# Altium PCB 28Pins_Project_V1I1_PCB.PcbDoc (part 1 of 2)
Units mil, origin at the board's own origin, x right, y up, seen from the top; angles counter-clockwise.
Board outline 2700 x 2100 mil, 2 copper layers (L1, L2), stack 66.476 mil thick; 106 components, 71 nets, 323 pads, 106 vias.
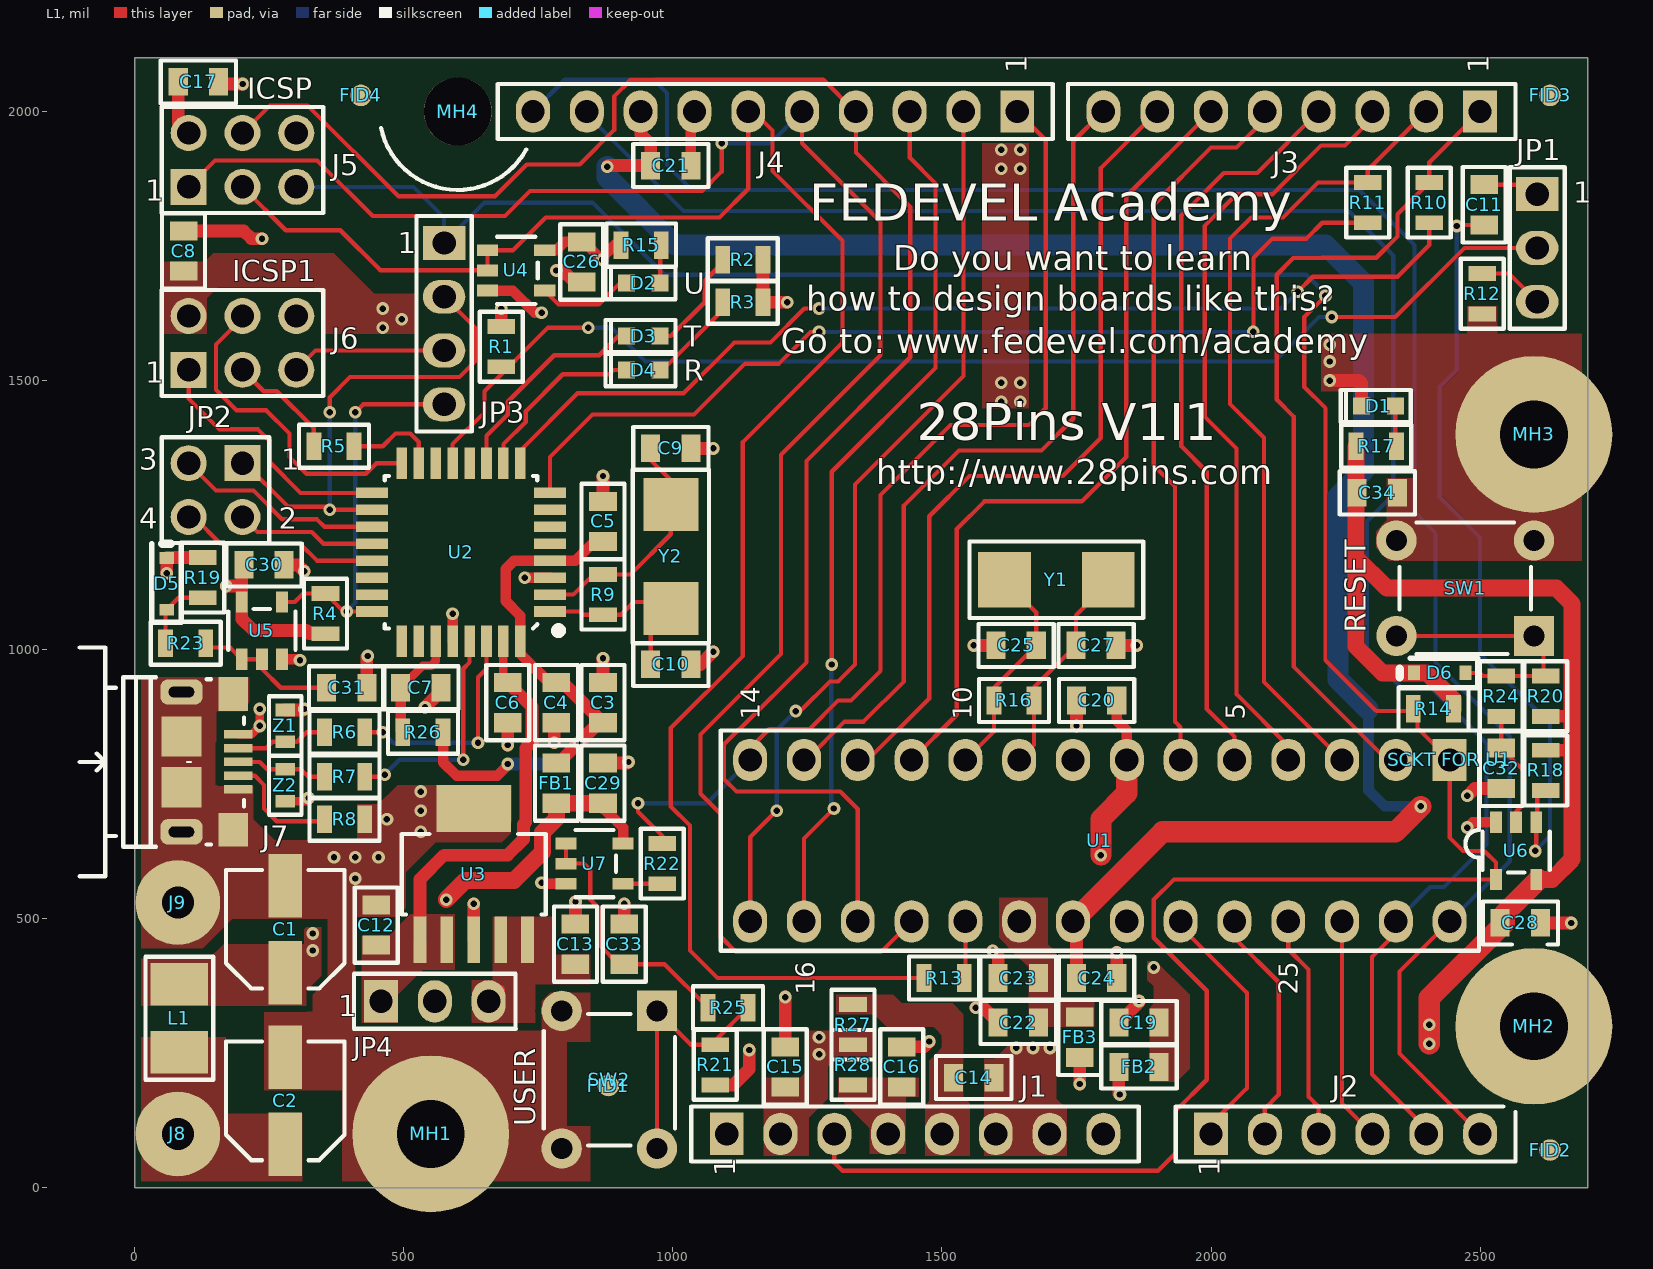
[diagram p0: L1 view]
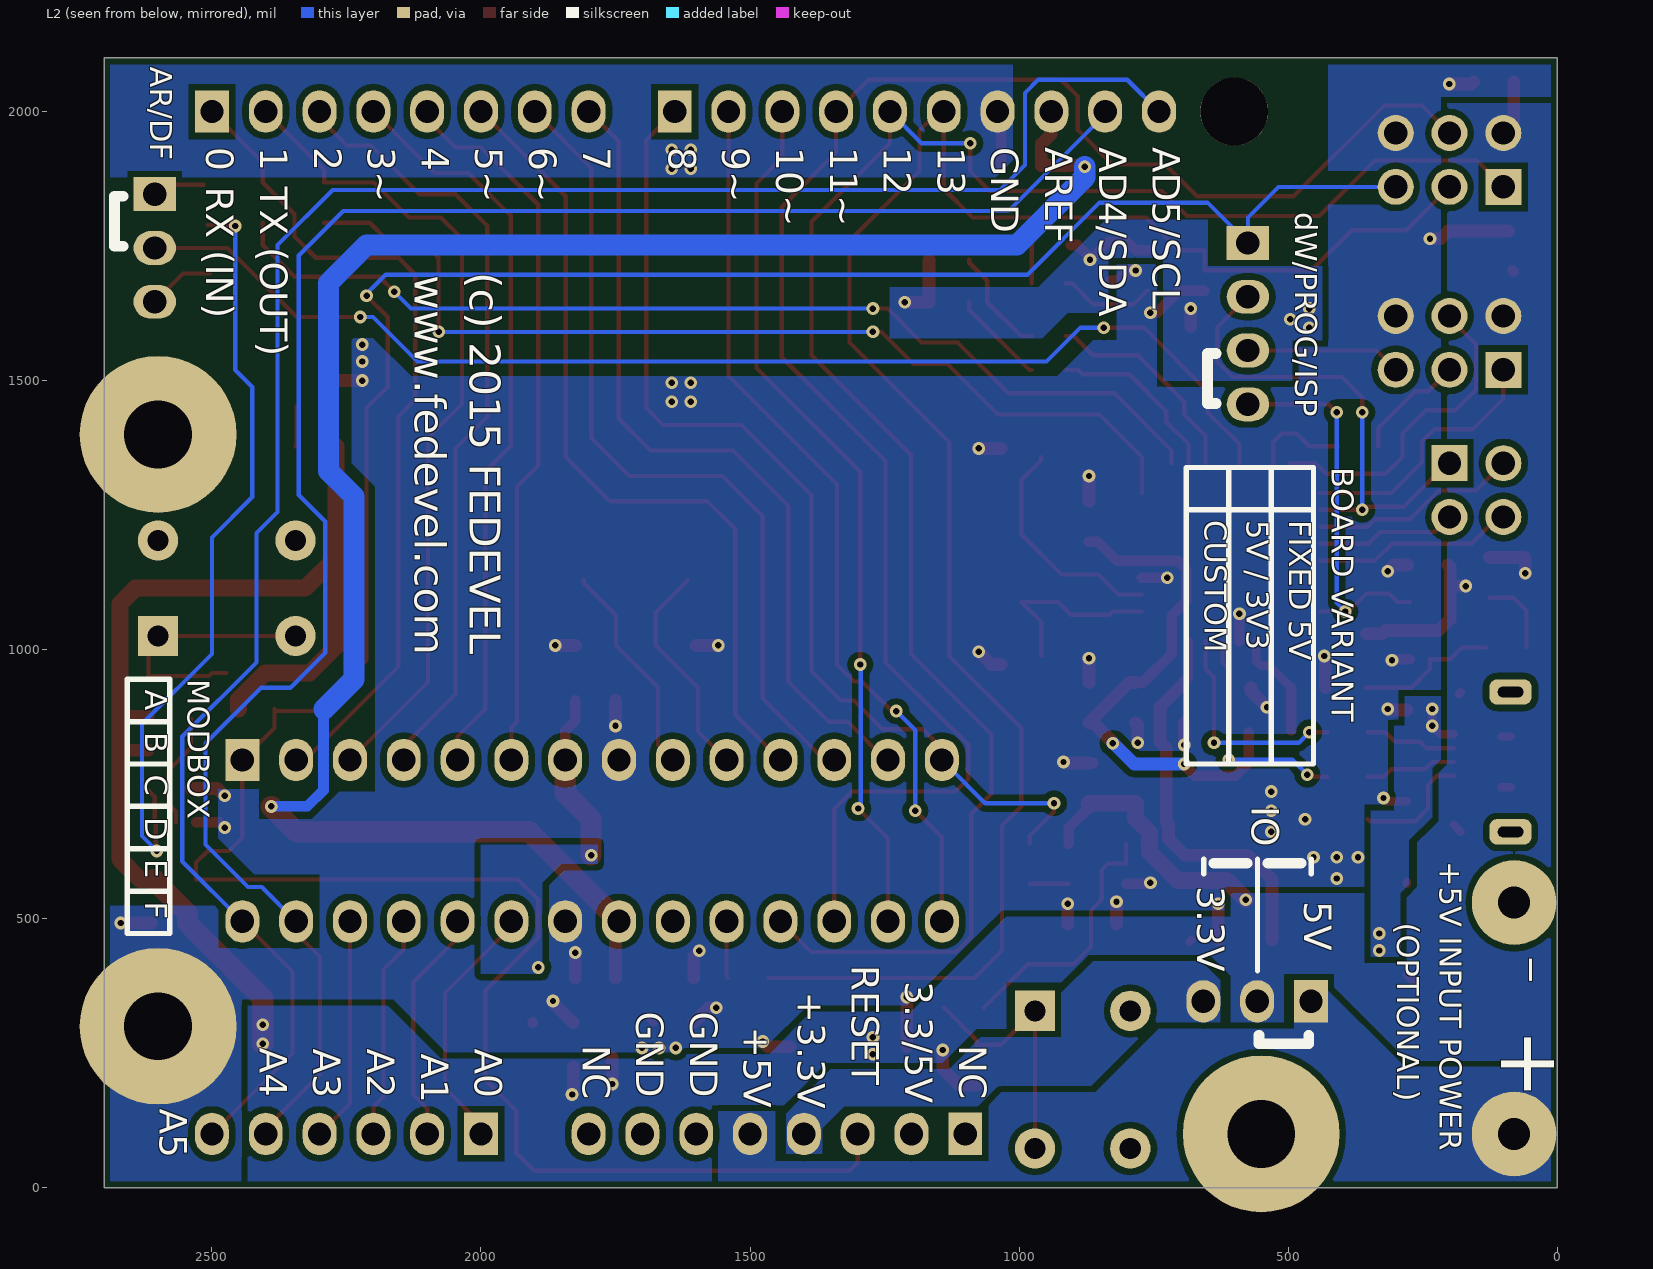
[diagram p1: L2 view, seen from below]

## Layer stack, top to bottom
Top Solder: solder mask 0.4, Solder Resist, Dk 3.5
L1: signal copper 1.7421
Dielectric5: core 62.9921, DE 104 ML, Dk 3.26
L2: signal copper 1.7421
Bottom Solder: solder mask 0.4, Solder Resist, Dk 3.5

## Board outline
0,0 2700,0 2700,2100 0,2100

## Design rules (kind name [scope] priority, off if disabled: settings)
Clearance "Around polygons" [IsRegion] p1: gap=11.81
Clearance [All] p2: gap=7.87
ComponentClearance "MH2 to J2" [InComponent('MH2') vs InComponent('J2')] p1: gap=0 collisioncheckmode=3 verticalgap=0 showdistances=FALSE
ComponentClearance "DIP SOCKET to MH2 and U1" [InComponent('SCKT FOR U1') vs InComponent('MH2') or InComponent('U1')] p2: gap=0 collisioncheckmode=3 verticalgap=0 showdistances=FALSE
ComponentClearance "MH4 to FID4 and J4" [InComponent('MH4') vs InComponent('FID4') or InComponent('J4')] p3: gap=0 collisioncheckmode=3 verticalgap=0 showdistances=FALSE
ComponentClearance "Power Resistors" [InComponent('R27') vs InComponent('R28')] p4: gap=0 collisioncheckmode=3 verticalgap=0 showdistances=FALSE
ComponentClearance "SW2 and FID1" [InComponent('SW2') vs InComponent('FID1')] p5: gap=0 collisioncheckmode=3 verticalgap=0 showdistances=FALSE
ComponentClearance [All] p6: gap=7.87 collisioncheckmode=3 verticalgap=7.87 showdistances=FALSE
Height [All] p1: minheight=-314.96 maxheight=1000 prefheight=500
HoleSize [All] p1: absolutevalues=TRUE maxlimit=393.7 minlimit=7.87 maxpercent=80.000 minpercent=20.000
HoleToHoleClearance [All] p1: gap=11.81 allowstackedmicrovias=TRUE
MinimumSolderMaskSliver [All] p1: minsoldermaskwidth=3.94
PlaneClearance [All] p1: clearance=11.81
PlaneConnect [All] p1: planeconnectstyle=Direct reliefexpansion=7.87 reliefentries=4 reliefconductorwidth=11.81 reliefairgap=7.87
PolygonConnect [All] p1: connectstyle=Direct reliefconductorwidth=10 reliefentries=4 polygonreliefangle="90 Angle" airgapwidth=10
RoutingVias [All] p1: holewidth=11.81 width=23.62 viastyle="Through Hole" minholewidth=11.81 minwidth=23.62 maxholewidth=11.81 maxwidth=23.62
SilkToSilkClearance [All] p1: silktosilkclearance=3.94
SilkToSolderMaskClearance SilkscreenOverComponentPads [IsPad] p1: minsilkscreentomaskgap=3.94 clearancetoexposedcopper=TRUE
SolderMaskExpansion [All] p1: expansion=3.94
Width "Width POWERS" [InNet('+*') or InNet('GND')] p1: maxlimit=157.48 minlimit=15.75 preferedwidth=15.75 minimp=50.000000 maximp=50.000000 favimp=50.000000
Width [All] p2: maxlimit=19.68 minlimit=5.91 preferedwidth=5.91
21 further rules are at their usual default settings.

## Classes and differential pairs
differential pair class DIFF90: PCIE_RX PCIE_TX USB0 USB0_CON USB0_L USB1 USB1_CON USB1_L USB_MPCIE USB_MPCIE_CON USB_OTG USB_OTG_CON
differential pair class DIFF100: CSI_CLK0 CSI_D0 CSI_D1 HDMI_IN_CLK HDMI_IN_D0 HDMI_IN_D1 HDMI_IN_D2 HDMI_OUT_CLK HDMI_OUT_D0 HDMI_OUT_D1 HDMI_OUT_D2 MX0 MX1 MX2 MX3 PCIE_CLK SATA_RX SATA_TX TRD0 TRD1 TRD2 TRD3

## Components (designator, comment, footprint, x,y, rotation, side; value= is the part's Value field where it differs from the comment)
C1 "100u / 10V" C_ALU_C_SIZE 279.53,480.32 r90 top
C2 "100u / 10V" C_ALU_C_SIZE 279.53,161.42 r90 top
C3 "10uF / 16V" C0805 870.08,901.57 r90 top
C4 "100n" C0805 783.46,901.57 r270 top
C5 "100n" C0805 870.08,1238.19 r90 top
C6 "100n" C0805 692.91,901.57 r270 top
C7 "1u" C0805 531.5,929.13 r180 top
C8 "100n" C0805 90.55,1740.71 r90 top
C9 "18p" C0805 996.06,1374.02 r180 top
C10 "18p" C0805 996.06,972.44 r180 top
C11 "100n" C0805 2507.87,1826.77 r90 top
C12 "10uF / 16V" C0805 448.82,488.19 r90 top
C13 "10uF / 16V" C0805 818.9,452.76 r90 top
C14 "100n" C0805 1559.06,204.72 r0 top
C15 "100n" C0805 1208.66,224.41 r90 top
C16 "100n" C0805 1425.2,224.41 r90 top
C17 "100n" C0805 118.11,2055.12 r0 top
C19 "10uF / 16V" C0805 1866.14,307.09 r180 top
C20 "100n" C0805 1787.4,905.51 r180 top
C21 "10uF / 16V" C0805 996.06,1899.61 r0 top
C22 "10uF / 16V" C0805 1641.73,307.09 r180 top
C23 "100n" C0805 1641.73,389.76 r180 top
C24 "100n" C0805 1787.4,389.76 r0 top
C25 "18p" C0805 1637.8,1007.87 r0 top
C26 "100n" C0805 830.71,1720.47 r270 top
C27 "18p" C0805 1786.42,1007.87 r180 top
C28 "100n" C0805 2574.8,492.13 r0 top
C29 "100n" C0805 870.08,751.97 r90 top
C30 "100n" C0805 240.16,1157.48 r0 top
C31 "100n" C0805 393.7,929.13 r0 top
C32 "100n" C0805 2539.37,779.53 r270 top
C33 "100n" C0805 909.45,452.76 r90 top
C34 "10uF / 16V" C0805 2309.06,1291.34 r0 top
D1 "Green" LED_0603 2311.02,1452.76 r0 top
D2 "Orange" LED_0603 944.88,1681.1 r0 top
D3 "Orange" LED_0603 944.88,1582.68 r0 top
D4 "Orange" LED_0603 944.88,1519.69 r0 top
D5 "BAT54HT1G" SOD323 59.06,1122.05 r270 top
D6 "BAT54HT1G" SOD323 2425.2,956.69 r0 top
FB1 "MPZ2012S601AT000" C0805 783.46,751.97 r90 top
FB2 "MPZ2012S601AT000" C0805 1866.14,224.41 r0 top
FB3 "MPZ2012S601AT000" C0805 1755.91,279.53 r90 top
FID1 "FID_1MMC" FID_40X120D 880,190 r0 top
FID2 "FID_1MMC" FID_40X120D 2630,70 r90 top
FID3 "FID_1MMC" FID_40X120D 2630,2030 r90 top
FID4 "FID_1MMC" FID_40X120D 420,2030 r90 top
J1 "HDR FMALE 1x8 2.54mm" Hdr_Female_1x8_2.54mm 1100,100 r90 top locked
J2 "HDR FMALE 1x6 2.54mm" Hdr_Female_1x6_2.54mm 2000,100 r90 top locked
J3 "HDR FMALE 1x8 2.54mm" Hdr_Female_1x8_2.54mm 2500,2000 r270 top locked
J4 "HDR FMALE 1x10 2.54mm" Hdr_Female_1x10_2.54mm 1640,2000 r270 top locked
J5 "HDR 2x3" HDR_2X3_2.54MM 100,1860 r90 top locked
J6 "HDR 2x3" HDR_2X3_2.54MM 100,1520 r90 top locked
J7 "10118193-0001LF" 10118193 86.61,791.34 r270 top
J8 "4MMx1.5MM" PAD_WITH_HOLE_4MMx1.5MM 80,100 r0 top
J9 "4MMx1.5MM" PAD_WITH_HOLE_4MMx1.5MM 80,530 r0 top
JP1 "HDR 1x3" Hdr_1x3_2.54mm 2606.3,1846.46 r0 top
JP2 "HDR 2x2" HDR_2x2_2.54MM 200,1346.46 r270 top locked
JP3 "HDR 1x4" HDR_1x4_2.54MM 574.8,1755.91 r0 top locked
JP4 "HDR 1x3" Hdr_1x3_2.54mm 457.48,346.46 r90 top locked
L1 "2u2 / 2A" C1210_IND 82.68,314.96 r270 top
MH1 "MH_7.4MMC_3.2MMD" MH_7.4MMD_3.2MMD 550,100 r0 top locked
MH2 "MH_7.4MMC_3.2MMD" MH_7.4MMD_3.2MMD 2600,300 r0 top locked
MH3 "MH_7.4MMC_3.2MMD" MH_7.4MMD_3.2MMD 2600,1400 r0 top locked
MH4 "MH_7.4MMNC_3.2MMD" MH_7.4MMD_3.2MMD_NON_COPPER_NPTH 600,2000 r0 top locked
R1 "100k" R0805 681.1,1562.99 r90 top
R2 "560R" R0805 1129.92,1724.41 r0 top
R3 "560R" R0805 1129.92,1645.67 r0 top
R4 "10k" R0805 354.33,1066.93 r270 top
R5 "22R" R0805 370.08,1377.95 r180 top
R6 "22R" R0805 389.76,846.46 r0 top
R7 "22R" R0805 389.76,763.78 r0 top
R8 "0R" R0805 389.76,685.04 r0 top
R9 "1M" R0805 870.08,1102.36 r90 top
R10 "1k" R0805 2405.51,1830.71 r90 top
R11 "1k" R0805 2291.34,1830.71 r90 top
R12 "1k" R0805 2503.94,1661.42 r270 top
R13 "22R" R0805 1503.94,389.76 r180 top
R14 "10k" R0805 2413.39,889.76 r0 top
R15 "560R" R0805 940.94,1751.97 r180 top
R16 "1M" R0805 1633.86,905.51 r180 top
R17 "560R" R0805 2307.09,1377.95 r180 top
R18 "10k" R0805 2622.05,775.59 r90 top
R19 "10k" R0805 125.98,1133.86 r90 top
R20 "10k" R0805 2622.05,913.39 r270 top
R21 "10k" R0805 1078.74,228.35 r270 top
R22 "560R" R0805 980.32,602.36 r270 top
R23 "22R" R0805 94.49,1011.81 r0 top
R24 "22R" R0805 2539.37,913.39 r270 top
R25 "22R" R0805 1102.36,334.65 r180 top
R26 "0R" R0805 535.43,846.46 r0 top
R27 "0R" R0805 1334.65,303.15 r90 top
R28 "0R" R0805 1334.65,228.35 r90 top
"SCKT FOR U1" "28-DIP Socket" 28_DIP_7.62mm_SOCKET 2443.5,795 r270 top locked
SW1 "1825910-6" 1825910-6 2472.44,1114.17 r270 top
SW2 "1825910-6" 1825910-6 881.89,200.79 r0 top
U1 "ATMEGA328P-PU" 28_DIP_7.62mm 2443.5,795 r270 top locked
U2 "ATMEGA16U2-AU" TQFP32 606.3,1181.1 r180 top
U3 "TL1963A-33DCQR" "DCQ (R-PDSO-G6)" 629.92,582.68 r0 top
U4 "SN74AHC1G09DBVR" DBV_SOT_23_5 708.66,1704.72 r0 top
U5 "SN74AHC1G09DBVR" DBV_SOT_23_5 236.22,1035.43 r90 top
U6 "SN74AHC1G09DBVR" DBV_SOT_23_5 2566.93,625.98 r270 top
U7 "SN74AHC1G09DBVR" DBV_SOT_23_5 854.33,602.36 r0 top
Y1 "ABM7-16.000MHZ-D2Y-T" ABM7_v1_1_BIG 1712.6,1129.92 r180 top
Y2 "ABM7-16.000MHZ-D2Y-T" ABM7_v1_1_BIG 996.06,1173.23 r90 top
Z1 "CG0603MLC-05E" R0603 279.53,858.27 r270 top
Z2 "CG0603MLC-05E" R0603 279.53,748.03 r90 top

## Footprints (in the part's own frame and the unit in brackets; to place one, negate y for a bottom-side part, rotate by r counter-clockwise, add the part's x,y. Pads: shape width x height; smd on the part's side, far side on the other; paste and mask are expansions set on the pad)
28_DIP_7.62mm [mm] "Creator MM"
  rect 2x1.6 hole 1.1: 1(0,0)
  oval 2x1.6 hole 1.1: 2(0,-2.54) 3(0,-5.08) 4(0,-7.62) 5(0,-10.16) 6(0,-12.7) 7(0,-15.24) 8(0,-17.78) 9(0,-20.32) 10(0,-22.86) 11(0,-25.4) 12(0,-27.94) 13(0,-30.48) 14(0,-33.02) 15(7.62,-33.02) 16(7.62,-30.48) 17(7.62,-27.94) 18(7.62,-25.4) 19(7.62,-22.86) 20(7.62,-20.32) 21(7.62,-17.78) 22(7.62,-15.24) 23(7.62,-12.7) 24(7.62,-10.16) 25(7.62,-7.62) 26(7.62,-5.08) 27(7.62,-2.54) 28(7.62,0)
  silkscreen extent -1.39,-34.41 9.01,1.39, body extent -0.13,-34.48 7.75,1.46, height 6.15
28_DIP_7.62mm_SOCKET [mil] "Creator MM"
  body extent -49,-1349 349,49, height 110
1825910-6 [mm]
  rect 1.9x1.9 hole 1: 1(2.25,3.25)
  round 1.9 hole 1: 2(2.25,-3.25) 3(-2.25,3.25) 4(-2.25,-3.25)
  silkscreen extent -3.1,-3.1 3.1,3.1, body extent -3,-3.9 2.99,3.9, height 5
10118193 [mm] "Creator MM"
  rect 0.4x1.35 smd mask+0.05: 1(-1.3,2.675) 2(-0.65,2.675) 3(0,2.675) 4(0.65,2.675) 5(1.3,2.675)
  rect 1.6x1.4 smd: 6(-3.2,2.45) 7(3.2,2.45)
  rrect60% 1.2x2 hole 0.5 slot 1.2 at 90 deg: 8(-3.3,0) 9(3.3,0)
  rect 1.9x1.9 smd paste-10: 10(-1.2,0) 11(1.2,0)
  silkscreen extent -5.4,-4.8 5.4,2.95, body extent -3.93,-2.76 3.93,2.9, height 2.85
ABM7_v1_1_BIG [mm] "Made longer for hand soldering"
  rect 2.5x2.6 smd: 1(-2.45,0) 2(2.45,0)
  silkscreen extent -4.1,-1.8 4.1,1.8, body extent -3.1,-1.85 3.1,1.85, height 1.45
C0805 [mm]
  rect 0.9x1.3 smd: 1(-0.95,0) 2(0.95,0)
  silkscreen extent -1.78,-1.02 1.78,1.02, body extent -1,-0.6 1,0.6, height 1.5
C1210_IND [mm] "INDUCTOR"
  rect 2x2.7 smd: 1(-1.6,0) 2(1.6,0)
  silkscreen extent -2.9,-1.6 2.9,1.6, body extent -1.6,-1.25 1.6,1.25, height 2.5
C_ALU_C_SIZE [mm] "Creator MM"
  rect 3x1.6 smd: 1(-2.05,0) 2(2.05,0)
  silkscreen extent -2.8,-2.8 2.8,2.8, body extent -3,-2.65 3,2.65, height 6.42
DBV_SOT_23_5 [mm]
  rect 1x0.55 smd: 1(-1.35,0.95) 2(-1.35,0) 3(-1.35,-0.95) 4(1.35,-0.95) 5(1.35,0.95)
  silkscreen extent -0.9,-1.59 1.02,1.59, body extent -1.65,-1.69 1.78,1.69, height 1.45
"DCQ (R-PDSO-G6)" [mm] "Creator MM"
  rect 0.6x2.2 smd: 1(-2.54,-3.1) 2(-1.27,-3.1) 3(0,-3.1) 4(1.27,-3.1) 5(2.54,-3.1)
  rect 3.5x2.2 smd: 6(0,3.1)
  silkscreen extent -3.4,-1.9 3.4,1.9, body extent -3.27,-3.63 3.28,3.63, height 1.8
FID_40X120D [mil]
  round 40 smd paste-40 mask+40: 1(0,0)
Hdr_1x3_2.54mm [mm] "Creator MM"
  rect 2x1.6 hole 1.1: 1(0,0)
  oval 2x1.6 hole 1.1: 2(0,-2.54) 3(0,-5.08)
  silkscreen extent -1.3,-6.36 1.3,1.27, body extent -1.2,-6.15 1.21,1.07, height 8.4
HDR_1x4_2.54MM [mm]
  rect 2x1.6 hole 1.1: 1(0,0)
  oval 2x1.6 hole 1.1: 2(0,-2.54) 3(0,-5.08) 4(0,-7.62)
  silkscreen extent -1.3,-8.9 1.3,1.27, body extent -1.2,-8.69 1.21,1.07, height 8.4
HDR_2x2_2.54MM [mm] "Creator MM"
  rect 1.7x1.7 hole 1.1: 1(0,0)
  round 1.7 hole 1.1: 2(2.54,0) 3(0,-2.54) 4(2.54,-2.54)
  silkscreen extent -1.23,-3.81 3.77,1.27, body extent -1.23,-3.81 3.77,1.27, height 8.01
HDR_2X3_2.54MM [mm] "Creator MM. Boxed overlay added"
  rect 1.7x1.7 hole 1.1: 1(0,0)
  round 1.7 hole 1.1: 2(2.54,0) 3(0,-2.54) 4(2.54,-2.54) 5(0,-5.08) 6(2.54,-5.08)
  silkscreen extent -1.23,-6.35 3.77,1.27, body extent -1.23,-6.35 3.77,1.27, height 8.01
Hdr_Female_1x6_2.54mm [mm] "Creator MM"
  rect 2x1.6 hole 1.1: 1(0,0)
  oval 2x1.6 hole 1.1: 2(0,-2.54) 3(0,-5.08) 4(0,-7.62) 5(0,-10.16) 6(0,-12.7)
  silkscreen extent -1.3,-14.37 1.3,1.67, body extent -1.25,-14.1 1.25,1.39, height 8.5
Hdr_Female_1x8_2.54mm [mm] "Creator MM"
  rect 2x1.6 hole 1.1: 1(0,0)
  oval 2x1.6 hole 1.1: 2(0,-2.54) 3(0,-5.08) 4(0,-7.62) 5(0,-10.16) 6(0,-12.7) 7(0,-15.24) 8(0,-17.78)
  silkscreen extent -1.3,-19.45 1.3,1.67, body extent -1.25,-19.19 1.25,1.38, height 8.5
Hdr_Female_1x10_2.54mm [mm] "Creator MM"
  rect 2x1.6 hole 1.1: 1(0,0)
  oval 2x1.6 hole 1.1: 2(0,-2.54) 3(0,-5.08) 4(0,-7.62) 5(0,-10.16) 6(0,-12.7) 7(0,-15.24) 8(0,-17.78) 9(0,-20.32) 10(0,-22.86)
  silkscreen extent -1.3,-24.53 1.3,1.67, body extent -1.25,-24.26 1.25,1.39, height 8.5
LED_0603 [mm]
  rect 0.8x0.8 smd: 1(-0.8,0) 2(0.8,0)
  silkscreen extent -1.78,-0.76 1.52,0.76, body extent -0.85,-0.4 0.85,0.4, height 0.66
MH_7.4MMD_3.2MMD [mm]
  round 7.4 / inner round 3.683 / far side round 7.4 hole 3.2 mask+0.025: 1(0,0)
MH_7.4MMD_3.2MMD_NON_COPPER_NPTH [mm] "Creator MM"
  round 3.2 hole 3.2 unplated mask+0.025: 1(0,0)
  silkscreen extent -3.62,-3.7 3.24,-0.77
PAD_WITH_HOLE_4MMx1.5MM [mm]
  round 4 hole 1.5: 1(0,0)
R0603 [mm]
  rect 0.6x0.9 smd: 1(-0.75,0) 2(0.75,0)
  silkscreen extent -1.4,-0.76 1.4,0.76, body extent -0.8,-0.42 0.8,0.42, height 0.8
R0805 [mm]
  rect 0.7x1.3 smd: 1(-0.95,0) 2(0.95,0)
  silkscreen extent -1.65,-1.02 1.65,1.02, body extent -1,-0.6 1,0.6, height 0.7
SOD323 [mil]
  rect 22x27 smd mask+3: 1(-48,0) 2(48,0)
  silkscreen extent -75,-28 71,28, body extent -49,-25 49,25, height 39
TQFP32 [mm] "Creator MM"
  rect 1.5x0.5 smd mask+0.06: 1(-4.2,2.8) 2(-4.2,2) 3(-4.2,1.2) 4(-4.2,0.4) 5(-4.2,-0.4) 6(-4.2,-1.2) 7(-4.2,-2) 8(-4.2,-2.8) 17(4.2,-2.8) 18(4.2,-2) 19(4.2,-1.2) 20(4.2,-0.4) 21(4.2,0.4) 22(4.2,1.2) 23(4.2,2) 24(4.2,2.8)
  rect 0.5x1.5 smd mask+0.06: 9(-2.8,-4.2) 10(-2,-4.2) 11(-1.2,-4.2) 12(-0.4,-4.2) 13(0.4,-4.2) 14(1.2,-4.2) 15(2,-4.2) 16(2.8,-4.2) 25(2.8,4.2) 26(2,4.2) 27(1.2,4.2) 28(0.4,4.2) 29(-0.4,4.2) 30(-1.2,4.2) 31(-2,4.2) 32(-2.8,4.2)
  silkscreen extent -4.7,-3.6 3.6,3.8, body extent -4.6,-4.6 4.6,4.6, height 1.2

## Part data
C1 C2: library part EEE-1AA101WR, "CAP ALUM 100UF 10V 20% SMD"
C3 C12 C13 C19 C21 C22 C34: library part C2012X5R1C106M, "CAP CER 10UF 16V 20% X5R 0805"
C4 C5 C6 C8 C11 C14 C15 C16 C17 C20 C23 C24 C26 C28 C29 C30 C31 C32 C33: library part C2012X7R1H104K085AA, "CAP CER 0.1UF 50V 10% X7R 0805"
C7: library part C2012X5R1E105K125AA, "CAP CER 1UF 25V 10% X5R 0805"
C9 C10 C25 C27: library part C0805C180J5GACTU, "CAP CER 18PF 50V 5% NP0 0805"
D1: library part "LG L29K-G2J1-24-Z", "LED SMARTLED GREEN 570NM 0603"
D2 D3 D4: library part "LO L29K-H2K1-24-Z", "LED SMARTLED ORANGE 606NM 0603"
D5 D6: "DIODE SCHOTTKY 30V 0.2A SOD323"
FB1 FB2 FB3: "FERRITE CHIP BEAD 600 OHM SMD"
FID1 FID2 FID3 FID4: "Fiducial 40mil Diameter, 120mil Mask"
J1 J3: library part M20-7820842, "08-WAY SIL VERT SOCKET L/FREE"
J2: library part M20-7820646, "06-WAY SIL VERT SOCKET L/FREE"
J4: library part M20-7821046, "10-WAY SIL VERT SOCKET L/FREE"
J5 J6: library part 67997-106HLF, "CONN HEADER 6POS .100 STR 30AU"
J7: "CONN USB MICRO B RECPT SMT R/A"
J8 J9: library part PAD_WITH_HOLE_4MMx1.5MM, "Pad with a hole 4mm x 1.5mm"
JP1 JP4: library part 68000-103HLF, "BERGSTIK II .100\" SR STRAIGHT"
JP2: library part 68602-204HLF, "CONN HEADER 4POS .100 STR 15AU"
JP3: library part 68001-204HLF, "CONN HEADER 4POS .100 STR 15AU"
L1: library part L1210R2R2MDWIT, "FIXED IND 2.2UH 2A 80 MOHM SMD"
MH1 MH2 MH3: "Mounting Hole 7.4mm Diameter, 3.2mm Drill"
MH4: "Mounting Hole 7.4mm Diameter (Non Copper), 3.2mm Drill NPTH"
R1: library part RC0805FR-07100KL, "RES SMD 100K OHM 1% 1/8W 0805"
R2 R3 R15 R17 R22: library part RC0805FR-07560RL, "RES SMD 560 OHM 1% 1/8W 0805"
R4 R14 R18 R19 R20 R21: library part RC0805FR-0710KL, "RES SMD 10K OHM 1% 1/8W 0805"
R5 R6 R7 R13 R23 R24 R25: library part RC0805FR-0722RL, "RES SMD 22 OHM 1% 1/8W 0805"
R8 R26 R27 R28: library part RC0805JR-070RL, "RES 0.0 OHM 1/8W 0805 SMD"
R9 R16: library part RC0805FR-071ML, "RES SMD 1M OHM 1% 1/8W 0805"
R10 R11 R12: library part RC0805FR-071KL, "RES SMD 1K OHM 1% 1/8W 0805"
"SCKT FOR U1": library part 4828-3004-CP, "CONN IC DIP SOCKET 28POS TIN"
SW1 SW2: "SWITCH TACTILE SPST-NO 0.05A 24V"
U1: "IC MCU 8BIT 32KB FLASH 28DIP"
U2: "IC MCU 8BIT 16KB FLASH 32TQFP"
U3: "IC REG LDO 3.3V 1.5A SOT223-6"
U4 U5 U6 U7: "IC GATE AND SGL 2INP SOT23-5"
Y1 Y2: "CRYSTAL 16MHZ 18PF SMD"
Z1 Z2: "VARISTOR 0603"

## Via types
v1: diameter 23.62, hole 11.81, L1 to L2, tented both sides, 106 vias

## Nets (pads, with @x,y where several pads share a name; then routed paths per layer and width w, separated by ;. In a path a pad name is that pad's centre, name@x,y a point inside that pad or via, vN(x,y) a via of type N, cw(c..) or ccw(c..) an arc to the next point about the centre after c; other vN are vias at no path point)
16U2_16MHZ_XTAL1: C10.2 R9.1 U2.1 Y2.1 | length 352.5
  L1 w7.87: U2.1@771.65,1070.87 826.14,1070.87 832.05,1064.96 R9.1@870.08,1064.96 903.54,1064.96 927.17,1088.58 996.06,1088.58 958.66,1051.18 C10.2@958.66,988.19
16U2_16MHZ_XTAL2: C9.2 R9.2 U2.2 Y2.2 | length 430.1
  L1 w7.87: U2.2@771.65,1102.36 814.96,1102.36 852.36,1139.76 R9.2@870.08,1139.76 921.26,1139.76 996.06,1214.57 996.06,1257.87 996.06,1314.96 958.66,1352.36 C9.2@958.66,1358.27
16U2_BUF_RESETN: C31.1 R23.2 U5.1 U5.2 | length 266
  L1 w7.87: R23.2@131.89,1003.94 177.17,1003.94 U5.1@198.82,982.28 U5.2@236.22,982.28 236.22,964.12 271.2,929.13 C31.1@356.3,929.13
16U2_HDR_RESETN: J6.5 JP3.3 | length 289.7
  L1 w7.87: J6.5@300,1520 335.91,1555.91 JP3.3@574.8,1555.91
16U2_MISO: J6.1 U2.17 | length 489.6
  L1 w7.87: J6.1@100,1520 100,1466.93 157.48,1409.45 228.99,1409.45 251.18,1387.26 251.18,1348.28 308.12,1291.34 U2.17@440.94,1291.34
16U2_MOSI: J6.4 U2.16 | length 600.9
  L1 w7.87: J6.4@200,1620 200,1616.14 150.79,1566.93 150.79,1483.07 188.98,1444.88 244.09,1444.88 287.4,1401.57 287.4,1358.27 318.9,1326.77 429.13,1326.77 448.82,1346.46 U2.16@496.06,1346.46
16U2_PB4: JP2.1 JP3.2 U2.18 | length 928.3
  L1 w7.87: JP2.1@200.79,1347.24 JP2.1@200,1346.46 203.83,1346.46 284.54,1265.75 358.27,1265.75 364.17,1259.84 U2.18@440.94,1259.84 ; v1(362.2,1440.94) 362.2,1468.9 400,1506.69 603.06,1506.69 631.89,1535.52 631.89,1598.82 JP3.2@574.8,1655.91
  L2 w7.87: v1(362.2,1259.84) v1(362.2,1440.94)
16U2_PB5: JP2.3 U2.19 | length 389.9
  L1 w7.87: JP2.3@100,1346.46 150.79,1295.67 220.38,1295.67 273.93,1242.13 338.52,1242.13 352.3,1228.35 U2.19@440.94,1228.35
16U2_PB6: JP2.2 U2.20 | length 261.5
  L1 w7.87: JP2.2@200,1246.46 227.95,1218.5 328.74,1218.5 350.39,1196.85 U2.20@440.94,1196.85
16U2_PB7: JP2.4 U2.21 | length 374.5
  L1 w7.87: JP2.4@100,1246.46 109.64,1246.46 159.25,1196.85 307.09,1196.85 338.58,1165.35 U2.21@440.94,1165.35
16U2_RESETN: JP3.4 R4.1 U2.24 U5.4 | length 735.9
  L1 w7.87: U5.4@273.62,1088.58 297.24,1088.58 312.99,1104.33 R4.1@354.33,1104.33 387.8,1070.87 v1(393.7,1070.87) U2.24@440.94,1070.87 ; v1(409.45,1440.94) 424.41,1455.91 JP3.4@574.8,1455.91
  L2 w7.87: v1(393.7,1070.87) 409.45,1086.61 v1(409.45,1440.94)
16U2_RX_LED: D4.1 U2.10 | length 332.4
  L1 w7.87: U2.10@685.04,1346.46 685.04,1381.89 726.38,1423.23 726.38,1442.91 795.28,1511.81 881.89,1511.81 889.76,1519.69 D4.1@913.39,1519.69
16U2_RXD: R11.1 U2.8 | length 1847.5
  L1 w7.87: U2.8@771.65,1291.34 771.65,1358.27 850.39,1437.01 1039.37,1437.01 1133.86,1531.5 1196.85,1531.5 1255.91,1590.55 v1(1271.65,1590.55) ; v1(2078.74,1590.55) 2078.74,1728.35 2114.17,1763.78 2177.17,1763.78 2206.69,1793.31 R11.1@2291.34,1793.31
  L2 w7.87: v1(1271.65,1590.55) v1(2078.74,1590.55)
16U2_SCLK: J6.3 R5.2 | length 211.1
  L1 w7.87: J6.3@200,1520 239.68,1480.32 263.78,1480.32 332.68,1411.42 R5.2@332.68,1377.95
16U2_SCLK_R: R5.1 U2.15 | length 183.6
  L1 w7.87: R5.1@407.48,1377.95 460.63,1377.95 484.25,1401.57 511.81,1401.57 527.56,1385.83 U2.15@527.56,1346.46 U2.15@527.56,1338.58
16U2_TX_LED: D3.1 U2.11 | length 401.5
  L1 w7.87: U2.11@653.54,1346.46 653.54,1397.64 692.91,1437.01 692.91,1460.63 779.53,1547.24 863.07,1547.24 898.5,1582.68 D3.1@913.39,1582.68
16U2_TXD: R10.1 U2.9 | length 1912.1
  L1 w7.87: U2.9@716.54,1346.46 716.54,1370.08 822.83,1476.38 1019.69,1476.38 1114.17,1570.87 1181.1,1570.87 1244.09,1633.86 v1(1271.65,1633.86) ; v1(2161.42,1665.35) 2188.98,1692.91 2346.46,1692.91 2405.51,1751.97 R10.1@2405.51,1793.31
  L2 w7.87: v1(1271.65,1633.86) 2129.92,1633.86 v1(2161.42,1665.35)
16U2PROG_328P_RESETN: JP1.2 R1.1 U2.13 | length 2277.4
  L1 w7.87: U2.13@590.55,1346.46 590.55,1381.89 649.61,1440.94 649.61,1480.31 767.72,1598.43 v1(842.52,1598.43) ; v1(2224.41,1618.11) 2342.52,1618.11 2470.87,1746.46 JP1.2@2606.3,1746.46
  L2 w7.87: v1(842.52,1598.43) 885.83,1598.43 948.82,1535.43 2118.11,1535.43 2200.79,1618.11 v1(2224.41,1618.11)
328P_16MHZ_XTAL1: C27.2 R16.1 U1.9 Y1.1 | length 414.2
  L1 w7.87: U1.9@1635.91,802.6 U1.9@1643.5,795 1671.26,822.76 R16.1@1671.26,905.51 1671.26,930.12 C27.2@1749.02,1007.87 1749.02,1063.98 1809.06,1124.02 Y1.1@1809.06,1129.92
328P_16MHZ_XTAL2: C25.2 R16.2 U1.10 Y1.2 | length 413.9
  L1 w7.87: U1.10@1543.5,795 1596.46,847.95 R16.2@1596.46,905.51 1596.46,929.13 C25.2@1675.2,1007.87 1675.2,1068.9 1616.14,1127.95 Y1.2@1616.14,1129.92
328P_AUTORESETN: C11.1 R18.1 U6.1 | length 1441.4
  L1 w7.87: v1(2456.69,1787.4) 2458.66,1789.37 C11.1@2507.87,1789.37 ; v1(2602.36,625.98) 2604.33,627.95 U6.1@2604.33,679.13 2606.3,681.1 2606.3,726.38 R18.1@2618.11,738.19
  L2 w7.87: v1(2456.69,1787.4) 2456.69,1519.69 2425.2,1488.19 2425.2,1283.46 2500,1208.66 2500,992.13 2629.92,862.2 2629.92,653.54 v1(2602.36,625.98)
328P_BUF_RESETN: C32.1 R24.2 U6.2 | length 215.7
  L1 w7.87: R24.2@2539.37,872.05 C32.1@2539.37,816.93 2580.71,775.59 2580.71,712.56 2566.93,698.78 U6.2@2566.93,679.13
328P_RESETN: J1.3 J5.5 JP3.1 R14.1 U1.1 U6.4 | length 5303.8
  L1 w7.87: J1.3@1300,100 1300,46.46 1314.96,31.5 1901.57,31.5 1934.25,64.17 1934.25,142.91 1992.13,200.79 1992.13,366.14 1893.7,464.57 1893.7,535.43 1931.1,572.83 U6.4@2529.53,572.83 2529.53,604.33 2507.87,625.98 2468.5,625.98 2443.5,650.98 U1.1@2443.5,795 2383.86,854.65 R14.1@2383.86,885.83 ; v1(2212.6,1657.48) 2173.23,1618.11 2173.23,1488.19 2212.6,1448.82 2212.6,980.32 2307.09,885.83 R14.1@2383.86,885.83 ; R14.1@2383.86,889.76 R14.1@2383.86,885.83
  L2 w7.87: J5.5@300,1860 517.95,1860 574.8,1803.15 JP3.1@574.8,1755.91 649.61,1830.71 850.39,1830.71 984.25,1696.85 2177.17,1696.85 2212.6,1661.42 v1(2212.6,1657.48)
+3V3: C13.1 C16.1 J1.4 JP4.3 R28.1 U3.4 U3.5 | length 37.3
  L1 w15.75: JP4.3@657.48,346.46 JP4.3@679.92,368.9 ; U3.4@679.92,460.63 U3.4@683.86,456.69
+3V3_16U2_UCAP: C7.2 R26.1 U2.27 | length 201.5
  L1 w15.75: C7.2@494.09,929.13 535.43,970.47 551.18,970.47 559.06,978.35 U2.27@559.06,1015.75
  L1 w19.68: R26.1@494.09,850.39 C7.2@494.09,929.13
+5V: C2.1 C6.1 C12.1 C14.1 J1.5 J8.1 JP4.1 L1.2 R27.2 U2.31 U3.1 U3.2 | length 787.2
  L1 w15.75: J8.1@82.68,106.3 J8.1@120.08,68.9 ; C12.1@457.48,459.45 C12.1@458.66,460.63 ; U2.31@685.04,1015.75 685.04,946.85 C6.1@692.91,938.98
  L1 w23.62: U3.1@529.92,460.63 529.92,573.23 574.8,618.11 692.91,618.11 722.44,647.64 722.44,675.05 726.38,678.99 726.38,816.93 738.19,828.74 738.19,893.7 C6.1@692.91,938.98
+5V/3V3: C8.1 C15.1 C17.1 C26.1 C28.1 C29.1 C30.1 C34.1 D5.1 D6.1 FB1.1 FB2.1 FB3.1 J1.2 J5.2 J6.2 JP4.2 R1.2 R2.2 R3.2 R4.2 R14.2 R15.2 R17.2 R18.2 R19.2 R20.2 R21.2 R27.1 R28.2 U4.5 U5.5 U6.5 U7.5 | length 3666.9
  L1 w19.68: C8.1@80.71,1702.76 C8.1@82.68,1704.72 ; U4.5@761.81,1742.13 783.46,1742.13 799.21,1757.87 C26.1@830.71,1757.87 834.65,1757.87 866.14,1726.38 891.73,1751.97 R15.2@903.54,1751.97 ; C29.1@862.2,714.57 870.08,706.69 907.48,669.29 U7.5@907.48,639.76 ; v1@1828.74,175.2 v1(1830.71,173.23)
  L1 w23.62: v1(59.06,1141.73) D5.1@59.06,1170.05 60.27,1171.26 R19.2@125.98,1171.26 ; C17.1@80.71,2055.12 80.71,1979.29 J5.2@100,1960 ; v1(170.16,1118.11) 194.88,1118.11 198.82,1114.17 ; C30.1@202.76,1157.48 198.82,1153.54 198.82,1114.17 ; R4.2@354.33,1029.53 324.8,1029.53 318.9,1035.43 220.47,1035.43 198.82,1057.09 U5.5@198.82,1088.58 198.82,1114.17 ; R1.2@681.1,1600.39 v1(681.1,1633.86) ; C29.1@870.08,706.69 C29.1@870.08,714.57 ; R21.2@1078.74,190.94 1112.2,190.94 1141.73,220.47 v1(1141.73,255.91) ; R2.2@1167.32,1724.41 R3.2@1167.32,1645.67 v1(1212.6,1645.67) ; v1(1755.91,192.91) FB3.1@1755.91,242.13 ; v1@1828.74,175.2 FB2.1@1828.74,224.41 ; R18.2@2618.11,812.99 2667.32,812.99 ; R20.2@2618.11,875.98 2663.39,875.98 2667.32,872.05 2669.29,874.02
  L1 w31.5: v1(578.74,535.43) 614.17,570.87 704.72,570.87 757.87,624.02 757.87,660.38 783.46,685.97 FB1.1@783.46,714.57 862.2,714.57 C29.1@870.08,714.57 ; R17.2@2269.69,1377.95 2269.69,1171.26 ; R14.2@2450.79,889.76 2450.79,907.48 2401.57,956.69 D6.1@2377.2,956.69 2318.9,956.69 2269.69,1005.91 2269.69,1171.26 ; U6.5@2604.33,572.83 2608.27,572.83 2633.6,572.83 2671.26,610.49 2671.26,1084.65 2641.73,1114.17 2326.77,1114.17 2269.69,1171.26
  L1 w39.37: v1(2405.51,267.72) 2405.51,352.36 2545.28,492.13 2545.28,509.84 U6.5@2608.27,572.83
  L2 w19.68: JP4.2@557.48,346.46 JP4.2@557.48,368.5
  other v1: 1271.65,248.03 1271.65,279.53 2405.51,303.15 460.63,1598.43 496.06,1614.17 460.63,1633.86 868.11,1724.41
+5V/3V3_16U2: C3.1 C4.1 C5.1 FB1.2 R26.2 U2.4 U2.32 | length 1034.8
  L1 w19.68: R26.2@572.83,846.46 572.83,790.92 598.01,765.75 673.23,765.75 v1@692.91,785.43 ; C4.1@783.46,938.98 769.69,938.98 716.54,992.13 U2.32@716.54,1015.75 716.54,1062.99 688.98,1090.55 688.98,1149.61 704.72,1165.35 U2.4@771.65,1165.35 818.27,1165.35 853.7,1200.79 C5.1@870.08,1200.79
  L1 w23.62: FB1.2@783.46,789.37 787.4,789.37 862.2,864.17 C3.1@870.08,864.17 795.28,938.98 C4.1@783.46,938.98
  L2 w23.62: v1@696.85,787.4 785.85,787.4 824.36,825.91 v1(826.14,825.91)
  other v1: 692.91,787.4
+5V/3V3_328P_AVCC: C22.1 C23.1 FB3.2 U1.20 | length 13.9
  L1 w15.75: C22.1@1679.13,307.09 C22.1@1688.98,316.93
+5V/3V3_328P_VCC: C19.1 C20.1 FB2.2 U1.7 | length 315.1
  L1 w19.68: C20.1@1824.8,905.51 1824.8,868.43 1843.5,849.72 U1.7@1843.5,795
  L1 w39.37: v1(1795.28,618.11) 1795.28,685.04 1843.5,733.27 U1.7@1843.5,795
  other v1: 1893.7,409.45
+5V_USB: C1.1 J7.1 L1.1 | length 96.5
  L1 w15.75: J7.1@191.93,842.52 216.54,842.52 v1(232.28,858.27) v1(232.28,889.76) ; C1.1@266.73,382.87 C1.1@279.53,395.67
  other v1: 330.71,440.94 330.71,472.44
+AREF: C21.1 C24.1 J4.8 U1.21 | length 3633.9
  L1 w23.62: v1(877.95,1897.64) 879.92,1899.61 C21.1@958.66,1899.61 958.66,1939.61 940,1958.27 J4.8@940,2000 ; U1.21@1743.5,495 1750,488.5 C24.1@1750,389.76
  L1 w39.37: U1.21@1743.5,495 1909.92,661.42 2342.52,661.42 v1(2389.76,708.66)
  L2 w19.68: 2291.9,889.2 2292.72,888.39 2292.72,738.78 2322.83,708.66 v1(2389.76,708.66)
  L2 w39.37: v1(877.95,1897.64) 877.95,1877.95 1003.94,1751.97 2212.6,1751.97 2283.46,1681.1 2283.46,1331.81 2236.22,1284.57 2236.22,944.88 2291.9,889.2
AD0: J2.1 U1.23 | length 473.8
  L1 w7.87: U1.23@1943.5,495 1943.5,485.63 2066.93,362.2 2066.93,185.04 2000,118.11 J2.1@2000,100
AD1: J2.2 U1.24 | length 439.9
  L1 w7.87: U1.24@2043.5,495 2043.5,464.37 2125.98,381.89 2125.98,173.23 2100,147.24 J2.2@2100,100
AD2: J2.3 U1.25 | length 418.4
  L1 w7.87: U1.25@2143.5,495 2143.5,443.11 2181.1,405.51 2181.1,169.29 2200,150.39 J2.3@2200,100
AD3: J2.4 U1.26 | length 418.4
  L1 w7.87: U1.26@2243.5,495 2243.5,156.5 J2.4@2300,100
AD4/SDA: J2.5 J4.9 U1.27 | length 3534.1
  L1 w7.87: U1.27@2343.5,495 2343.5,473.43 2299.21,429.13 2299.21,211.02 2400,110.24 J2.5@2400,100
  L2 w7.87: J4.9@840,2000 840,1994.65 1019.69,1814.96 2255.91,1814.96 2338.58,1732.28 2338.58,1287.4 2289.37,1238.19 2289.37,994.09 2354.33,929.13 2408.78,929.13 2511.81,826.1 2511.81,637.8 2433.07,559.06 2407.56,559.06 U1.27@2343.5,495
AD5/SCL: J2.6 J4.10 U1.28 | length 3743.9
  L1 w7.87: J4.10@740,1996.22 J4.10@740,2000 ; U1.28@2443.5,495 2350.39,401.89 2350.39,249.61 J2.6@2500,100
  L2 w7.87: J4.10@740,2000 799.06,2059.06 964.57,2059.06 989.21,2034.41 989.21,1900.55 1035.43,1854.33 2275.59,1854.33 2377.95,1751.97 2377.95,1255.91 2417.32,1216.54 2417.32,976.38 2555.12,838.58 2555.12,606.61 U1.28@2443.5,495
BUTTON_RESETN: D6.2 R20.1 R24.1 SW1.1 SW1.2 | length 493.8
  L1 w7.87: SW1.2@2344.49,1025.59 SW1.1@2600.39,1025.59 2618.11,1007.87 2618.11,950.79 R24.1@2539.37,950.79 ; D6.2@2473.2,956.69 2499.37,956.69 2505.28,950.79 R24.1@2539.37,950.79 ; R24.1@2533.46,956.69 R24.1@2539.37,950.79
CON_USB_N: J7.2 R6.1 Z1.2 | length 172.7
  L1 w7.87: J7.2@191.93,816.93 243.62,816.93 255.43,828.74 Z1.2@279.53,828.74 301.18,828.74 318.9,846.46 R6.1@352.36,846.46
CON_USB_P: J7.3 R7.1 Z2.2 | length 171.8
  L1 w7.87: J7.3@191.93,791.34 232.28,791.34 246.06,777.56 Z2.2@279.53,777.56 309.06,777.56 322.83,763.78 R7.1@352.36,763.78